# KiCad board processed.kicad_pcb
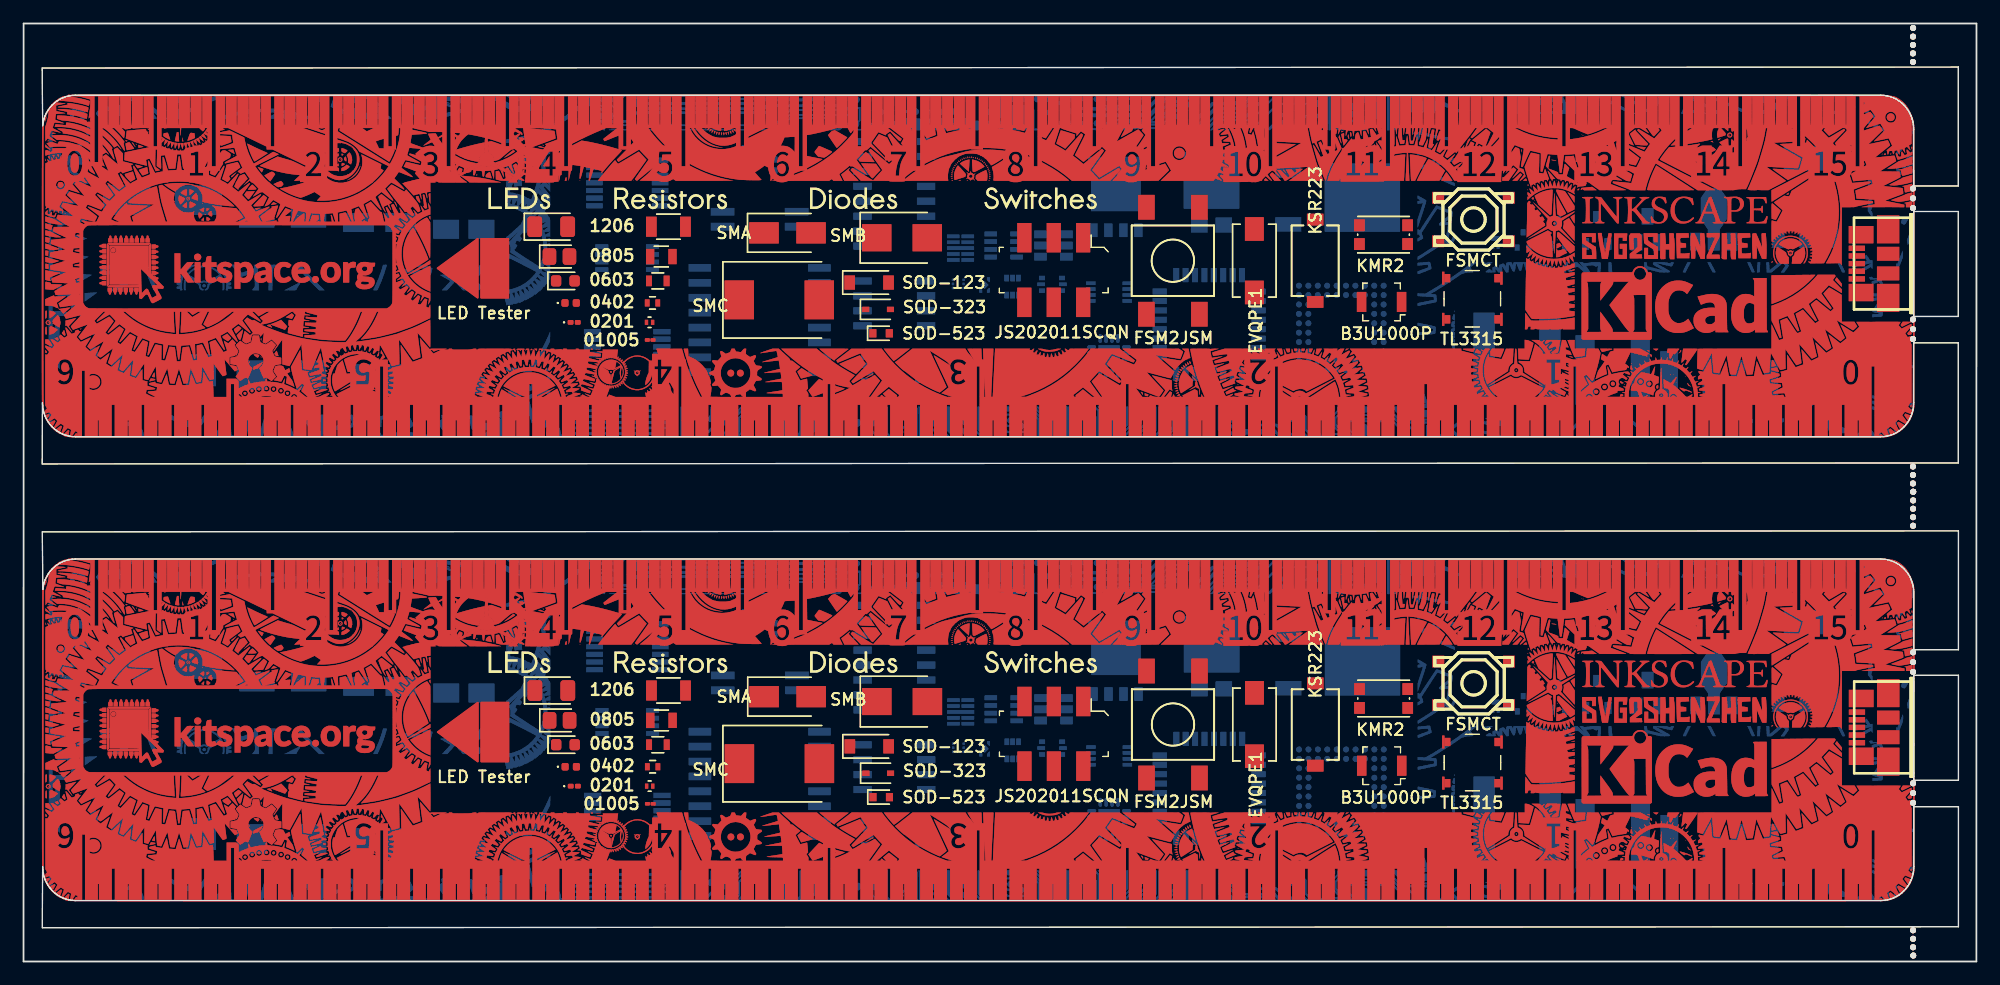
[diagram p0: board, top side]
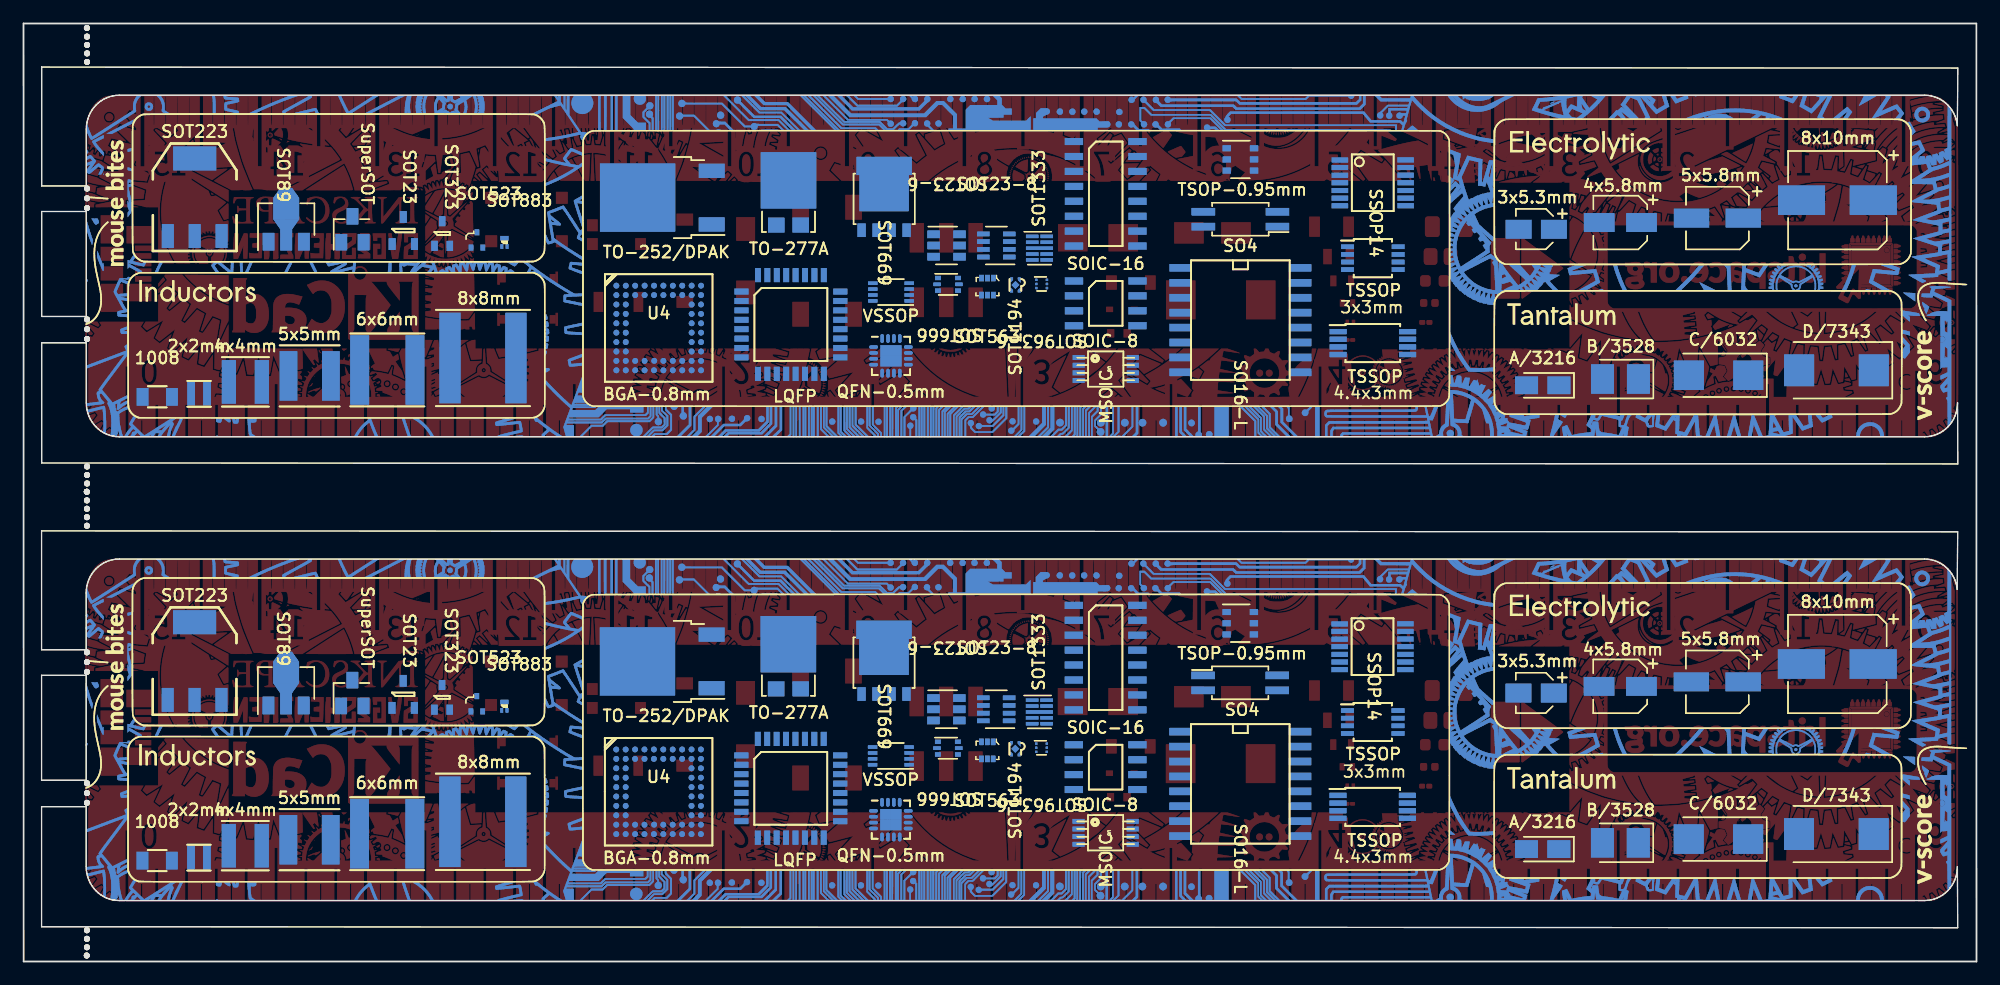
[diagram p1: board, bottom side, seen from below]

Outline 166 x 79.79 mm; copper layers: Top, Bottom. Coordinates in mm from the lower left corner of the outline.
Outline path: 0,0 0.01,79.79 166,79.79 165.99,0 0,0

## Placement (name value [footprint] x y rotation side)
C1  3x5.3mm  [CP_Elec_3x5.3]  37.42 62.29 0 bottom
C1#2  3x5.3mm  [CP_Elec_3x5.3]  37.42 62.29 0 bottom
C1#3  3x5.3mm  [CP_Elec_3x5.3]  37.43 22.84 0 bottom
C1#4  3x5.3mm  [CP_Elec_3x5.3]  37.43 22.84 0 bottom
C2  4x5.8mm  [CP_Elec_4x5.8]  30.27 62.86 0 bottom
C2#2  4x5.8mm  [CP_Elec_4x5.8]  30.27 62.86 0 bottom
C2#3  4x5.8mm  [CP_Elec_4x5.8]  30.28 23.41 0 bottom
C2#4  4x5.8mm  [CP_Elec_4x5.8]  30.28 23.41 0 bottom
C3  5x5.8mm  [CP_Elec_5x5.8]  22.02 63.24 0 bottom
C3#2  5x5.8mm  [CP_Elec_5x5.8]  22.02 63.24 0 bottom
C3#3  5x5.8mm  [CP_Elec_5x5.8]  22.03 23.79 0 bottom
C3#4  5x5.8mm  [CP_Elec_5x5.8]  22.03 23.79 0 bottom
C4  8x10mm  [CP_Elec_8x10]  11.82 64.76 0 bottom
C4#2  8x10mm  [CP_Elec_8x10]  11.82 64.76 0 bottom
C4#3  8x10mm  [CP_Elec_8x10]  11.83 25.31 0 bottom
C4#4  8x10mm  [CP_Elec_8x10]  11.83 25.31 0 bottom
C5  A/3216  [CP_Tantalum_Case-A_EIA-3216-18_Reflow]  36.87 49.01 0 bottom
C5#2  A/3216  [CP_Tantalum_Case-A_EIA-3216-18_Reflow]  36.87 49.01 0 bottom
C5#3  A/3216  [CP_Tantalum_Case-A_EIA-3216-18_Reflow]  36.87 9.56 0 bottom
C5#4  A/3216  [CP_Tantalum_Case-A_EIA-3216-18_Reflow]  36.87 9.56 0 bottom
C6  B/3528  [CP_Tantalum_Case-B_EIA-3528-21_Reflow]  30.26 49.55 0 bottom
C6#2  B/3528  [CP_Tantalum_Case-B_EIA-3528-21_Reflow]  30.26 49.55 0 bottom
C6#3  B/3528  [CP_Tantalum_Case-B_EIA-3528-21_Reflow]  30.27 10.1 0 bottom
C6#4  B/3528  [CP_Tantalum_Case-B_EIA-3528-21_Reflow]  30.27 10.1 0 bottom
C7  C/6032  [CP_Tantalum_Case-C_EIA-6032-28_Reflow]  21.92 49.87 0 bottom
C7#2  C/6032  [CP_Tantalum_Case-C_EIA-6032-28_Reflow]  21.92 49.87 0 bottom
C7#3  C/6032  [CP_Tantalum_Case-C_EIA-6032-28_Reflow]  21.93 10.41 0 bottom
C7#4  C/6032  [CP_Tantalum_Case-C_EIA-6032-28_Reflow]  21.93 10.41 0 bottom
C8  D/7343  [CP_Tantalum_Case-D_EIA-7343-31_Reflow]  11.9 50.29 0 bottom
C8#2  D/7343  [CP_Tantalum_Case-D_EIA-7343-31_Reflow]  11.9 50.29 0 bottom
C8#3  D/7343  [CP_Tantalum_Case-D_EIA-7343-31_Reflow]  11.91 10.84 0 bottom
C8#4  D/7343  [CP_Tantalum_Case-D_EIA-7343-31_Reflow]  11.91 10.84 0 bottom
D1  SMA  [D_SMA]  64.94 61.98 0 top
D1#2  SMA  [D_SMA]  64.94 61.98 0 top
D1#3  SMA  [D_SMA]  64.95 22.53 0 top
D1#4  SMA  [D_SMA]  64.95 22.53 0 top
D2  SMB  [D_SMB]  74.67 61.56 0 top
D2#2  SMB  [D_SMB]  74.67 61.56 0 top
D2#3  SMB  [D_SMB]  74.68 22.11 0 top
D2#4  SMB  [D_SMB]  74.68 22.11 0 top
D3  SMC  [D_SMC]  64.24 56.28 0 top
D3#2  SMC  [D_SMC]  64.24 56.28 0 top
D3#3  SMC  [D_SMC]  64.25 16.83 0 top
D3#4  SMC  [D_SMC]  64.25 16.83 0 top
D4  SOD-123  [D_SOD-123]  71.88 57.75 0 top
D4#2  SOD-123  [D_SOD-123]  71.88 57.75 0 top
D4#3  SOD-123  [D_SOD-123]  71.89 18.3 0 top
D4#4  SOD-123  [D_SOD-123]  71.89 18.3 0 top
D5  SOD-323  [D_SOD-323]  72.64 55.47 0 top
D5#2  SOD-323  [D_SOD-323]  72.64 55.47 0 top
D5#3  SOD-323  [D_SOD-323]  72.65 16.01 0 top
D5#4  SOD-323  [D_SOD-323]  72.65 16.01 0 top
D6  SOD-523  [D_SOD-523]  72.89 53.44 0 top
D6#2  SOD-523  [D_SOD-523]  72.89 53.44 0 top
D6#3  SOD-523  [D_SOD-523]  72.9 13.98 0 top
D6#4  SOD-523  [D_SOD-523]  72.9 13.98 0 top
DRAWING1  Conn_01x01  [ruler]  84.74 59.18 0 top
DRAWING1#2  Conn_01x01  [ruler]  84.74 59.18 0 top
DRAWING1#3  Conn_01x01  [ruler]  84.75 19.72 0 top
DRAWING1#4  Conn_01x01  [ruler]  84.75 19.72 0 top
DRAWING2  Conn_01x01  [leds_text]  51.02 65.86 0 top
DRAWING2#2  Conn_01x01  [leds_text]  51.02 65.86 0 top
DRAWING2#3  Conn_01x01  [leds_text]  51.03 26.4 0 top
DRAWING2#4  Conn_01x01  [leds_text]  51.03 26.4 0 top
DRAWING3  Conn_01x01  [resistors_text]  55.89 64.59 0 top
DRAWING3#2  Conn_01x01  [resistors_text]  55.89 64.59 0 top
DRAWING3#3  Conn_01x01  [resistors_text]  55.9 25.13 0 top
DRAWING3#4  Conn_01x01  [resistors_text]  55.9 25.13 0 top
DRAWING4  Conn_01x01  [diodes_text]  70.52 64.59 0 top
DRAWING4#2  Conn_01x01  [diodes_text]  70.52 64.59 0 top
DRAWING4#3  Conn_01x01  [diodes_text]  70.53 25.13 0 top
DRAWING4#4  Conn_01x01  [diodes_text]  70.53 25.13 0 top
DRAWING5  Conn_01x01  [switches_text]  87.4 64.59 0 top
DRAWING5#2  Conn_01x01  [switches_text]  87.4 64.59 0 top
DRAWING5#3  Conn_01x01  [switches_text]  87.41 25.14 0 top
DRAWING5#4  Conn_01x01  [switches_text]  87.41 25.14 0 top
DRAWING9  Conn_01x01  [inductors_text]  147.01 54.89 180 bottom
DRAWING9#2  Conn_01x01  [inductors_text]  147.01 54.89 180 bottom
DRAWING9#3  Conn_01x01  [inductors_text]  147.02 15.44 180 bottom
DRAWING9#4  Conn_01x01  [inductors_text]  147.02 15.44 180 bottom
DRAWING10  Conn_01x01  [tantalum_text]  33.71 54.38 180 bottom
DRAWING10#2  Conn_01x01  [tantalum_text]  33.71 54.38 180 bottom
DRAWING10#3  Conn_01x01  [tantalum_text]  33.72 14.93 180 bottom
DRAWING10#4  Conn_01x01  [tantalum_text]  33.72 14.93 180 bottom
DRAWING11  Conn_01x01  [electrolytic_text]  33.62 69.05 180 bottom
DRAWING11#2  Conn_01x01  [electrolytic_text]  33.62 69.05 180 bottom
DRAWING11#3  Conn_01x01  [electrolytic_text]  33.63 29.6 180 bottom
DRAWING11#4  Conn_01x01  [electrolytic_text]  33.63 29.6 180 bottom
J1  USB_OTG  [conn_usb_B_micro_smd]  158.49 59.37 90 top
J1#2  USB_OTG  [conn_usb_B_micro_smd]  158.49 59.37 90 top
J1#3  USB_OTG  [conn_usb_B_micro_smd]  158.5 19.91 90 top
J1#4  USB_OTG  [conn_usb_B_micro_smd]  158.5 19.91 90 top
L1  1008  [Inductor_1008]  154.63 48.03 180 bottom
L1#2  1008  [Inductor_1008]  154.63 48.03 180 bottom
L1#3  1008  [Inductor_1008]  154.64 8.58 180 bottom
L1#4  1008  [Inductor_1008]  154.64 8.58 180 bottom
L2  8x8mm  [Inductor_Taiyo-Yuden_NR-80xx]  126.95 51.34 0 bottom
L2#2  8x8mm  [Inductor_Taiyo-Yuden_NR-80xx]  126.95 51.34 0 bottom
L2#3  8x8mm  [Inductor_Taiyo-Yuden_NR-80xx]  126.96 11.88 0 bottom
L2#4  8x8mm  [Inductor_Taiyo-Yuden_NR-80xx]  126.96 11.88 0 bottom
L3  4x4mm  [Inductor_Taiyo-Yuden_MD-4040]  147.14 49.3 180 bottom
L3#2  4x4mm  [Inductor_Taiyo-Yuden_MD-4040]  147.14 49.3 180 bottom
L3#3  4x4mm  [Inductor_Taiyo-Yuden_MD-4040]  147.15 9.85 180 bottom
L3#4  4x4mm  [Inductor_Taiyo-Yuden_MD-4040]  147.15 9.85 180 bottom
L4  5x5mm  [Inductor_Taiyo-Yuden_MD-5050]  141.68 49.81 180 bottom
L4#2  5x5mm  [Inductor_Taiyo-Yuden_MD-5050]  141.68 49.81 180 bottom
L4#3  5x5mm  [Inductor_Taiyo-Yuden_MD-5050]  141.69 10.36 180 bottom
L4#4  5x5mm  [Inductor_Taiyo-Yuden_MD-5050]  141.69 10.36 180 bottom
L5  6x6mm  [Inductor_Taiyo-Yuden_NR-60xx]  135.08 50.32 180 bottom
L5#2  6x6mm  [Inductor_Taiyo-Yuden_NR-60xx]  135.08 50.32 180 bottom
L5#3  6x6mm  [Inductor_Taiyo-Yuden_NR-60xx]  135.09 10.87 180 bottom
L5#4  6x6mm  [Inductor_Taiyo-Yuden_NR-60xx]  135.09 10.87 180 bottom
L6  2x2mm  [Inductor_Taiyo-Yuden_NR-20xx]  151.08 48.29 0 bottom
L6#2  2x2mm  [Inductor_Taiyo-Yuden_NR-20xx]  151.08 48.29 0 bottom
L6#3  2x2mm  [Inductor_Taiyo-Yuden_NR-20xx]  151.09 8.83 0 bottom
L6#4  2x2mm  [Inductor_Taiyo-Yuden_NR-20xx]  151.09 8.83 0 bottom
LED1  LED Tester  [led_test_pads]  38.7 58.97 180 top
LED1#2  LED Tester  [led_test_pads]  38.7 58.97 180 top
LED1#3  LED Tester  [led_test_pads]  38.71 19.52 180 top
LED1#4  LED Tester  [led_test_pads]  38.71 19.52 180 top
LED2  0402  [LED_0402_1005Metric]  46.5 56.02 0 top
LED2#2  0402  [LED_0402_1005Metric]  46.5 56.02 0 top
LED2#3  0402  [LED_0402_1005Metric]  46.51 16.57 0 top
LED2#4  0402  [LED_0402_1005Metric]  46.51 16.57 0 top
LED3  0603  [LED_0603_1608Metric]  46.05 57.89 0 top
LED3#2  0603  [LED_0603_1608Metric]  46.05 57.89 0 top
LED3#3  0603  [LED_0603_1608Metric]  46.06 18.44 0 top
LED3#4  0603  [LED_0603_1608Metric]  46.06 18.44 0 top
LED4  0805  [LED_0805_2012Metric]  45.55 59.97 0 top
LED4#2  0805  [LED_0805_2012Metric]  45.55 59.97 0 top
LED4#3  0805  [LED_0805_2012Metric]  45.56 20.51 0 top
LED4#4  0805  [LED_0805_2012Metric]  45.56 20.51 0 top
LED5  1206  [LED_1206_3216Metric]  44.85 62.5 0 top
LED5#2  1206  [LED_1206_3216Metric]  44.85 62.5 0 top
LED5#3  1206  [LED_1206_3216Metric]  44.86 23.05 0 top
LED5#4  1206  [LED_1206_3216Metric]  44.86 23.05 0 top
LED6  0201  [LED_0201_0603Metric]  46.8 54.37 0 top
LED6#2  0201  [LED_0201_0603Metric]  46.8 54.37 0 top
LED6#3  0201  [LED_0201_0603Metric]  46.81 14.92 0 top
LED6#4  0201  [LED_0201_0603Metric]  46.81 14.92 0 top
Q1  SOT23  [SOT-23]  133.72 62.18 90 bottom
Q1#2  SOT23  [SOT-23]  133.72 62.18 90 bottom
Q1#3  SOT23  [SOT-23]  133.73 22.73 90 bottom
Q1#4  SOT23  [SOT-23]  133.73 22.73 90 bottom
Q2  SOT323  [SOT-323]  130.42 61.93 90 bottom
Q2#2  SOT323  [SOT-323]  130.42 61.93 90 bottom
Q2#3  SOT323  [SOT-323]  130.43 22.47 90 bottom
Q2#4  SOT323  [SOT-323]  130.43 22.47 90 bottom
Q3  SOT883  [SOT-883-B]  125.12 61.17 180 bottom
Q3#2  SOT883  [SOT-883-B]  125.12 61.17 180 bottom
Q3#3  SOT883  [SOT-883-B]  125.13 21.72 180 bottom
Q3#4  SOT883  [SOT-883-B]  125.13 21.72 180 bottom
Q4  SOT523  [SOT-523]  127.46 60.73 180 bottom
Q4#2  SOT523  [SOT-523]  127.46 60.73 180 bottom
Q4#3  SOT523  [SOT-523]  127.47 21.28 180 bottom
Q4#4  SOT523  [SOT-523]  127.47 21.28 180 bottom
Q5  SOT223  [SOT223_GND_VO_VI]  151.45 65.01 180 bottom
Q5#2  SOT223  [SOT223_GND_VO_VI]  151.45 65.01 180 bottom
Q5#3  SOT223  [SOT223_GND_VO_VI]  151.46 25.56 180 bottom
Q5#4  SOT223  [SOT223_GND_VO_VI]  151.46 25.56 180 bottom
Q6  SOT89  [SOT-89-3]  143.67 62.71 90 bottom
Q6#2  SOT89  [SOT-89-3]  143.67 62.71 90 bottom
Q6#3  SOT89  [SOT-89-3]  143.68 23.26 90 bottom
Q6#4  SOT89  [SOT-89-3]  143.68 23.26 90 bottom
Q7  SuperSOT  [SuperSOT-3]  138.04 62.29 90 bottom
Q7#2  SuperSOT  [SuperSOT-3]  138.04 62.29 90 bottom
Q7#3  SuperSOT  [SuperSOT-3]  138.05 22.84 90 bottom
Q7#4  SuperSOT  [SuperSOT-3]  138.05 22.84 90 bottom
R1  1k  [R_0201]  53.21 54.37 180 top
R1#2  1k  [R_0201]  53.21 54.37 180 top
R1#3  1k  [R_0201]  53.22 14.92 180 top
R1#4  1k  [R_0201]  53.22 14.92 180 top
R2  1k  [R_0402]  53.46 56.02 180 top
R2#2  1k  [R_0402]  53.46 56.02 180 top
R2#3  1k  [R_0402]  53.47 16.57 180 top
R2#4  1k  [R_0402]  53.47 16.57 180 top
R3  1k  [R_0603]  53.91 57.89 180 top
R3#2  1k  [R_0603]  53.91 57.89 180 top
R3#3  1k  [R_0603]  53.92 18.44 180 top
R3#4  1k  [R_0603]  53.92 18.44 180 top
R4  1k  [R_0805]  54.21 59.97 180 top
R4#2  1k  [R_0805]  54.21 59.97 180 top
R4#3  1k  [R_0805]  54.22 20.51 180 top
R4#4  1k  [R_0805]  54.22 20.51 180 top
R5  1k  [R_1206]  54.81 62.51 180 top
R5#2  1k  [R_1206]  54.81 62.51 180 top
R5#3  1k  [R_1206]  54.82 23.05 180 top
R5#4  1k  [R_1206]  54.82 23.05 180 top
R6  1k  [R_01005_0402Metric]  53.26 52.87 180 top
R6#2  1k  [R_01005_0402Metric]  53.26 52.87 180 top
R6#3  1k  [R_01005_0402Metric]  53.27 13.42 180 top
R6#4  1k  [R_01005_0402Metric]  53.27 13.42 180 top
SW1  KMR2  [SW_SPST_KMR2]  115.6 61.83 180 top
SW1#2  KMR2  [SW_SPST_KMR2]  115.6 61.83 180 top
SW1#3  KMR2  [SW_SPST_KMR2]  115.61 22.37 180 top
SW1#4  KMR2  [SW_SPST_KMR2]  115.61 22.37 180 top
SW2  EVQPE1  [SW_SPST_EVQPE1]  104.62 59.61 270 top
SW2#2  EVQPE1  [SW_SPST_EVQPE1]  104.62 59.61 270 top
SW2#3  EVQPE1  [SW_SPST_EVQPE1]  104.63 20.16 270 top
SW2#4  EVQPE1  [SW_SPST_EVQPE1]  104.63 20.16 270 top
SW3  B3U1000P  [Switch_Tactile_SMD_B3U-1000P]  115.43 56.11 180 top
SW3#2  B3U1000P  [Switch_Tactile_SMD_B3U-1000P]  115.43 56.11 180 top
SW3#3  B3U1000P  [Switch_Tactile_SMD_B3U-1000P]  115.44 16.65 180 top
SW3#4  B3U1000P  [Switch_Tactile_SMD_B3U-1000P]  115.44 16.65 180 top
SW4  -  [FSMCT]  123.25 63.12 180 top
SW4#2  -  [FSMCT]  123.25 63.12 180 top
SW4#3  -  [FSMCT]  123.26 23.66 180 top
SW4#4  -  [FSMCT]  123.26 23.66 180 top
SW5  TL3315  [Switch_4.5x4.5mm_SMD_TL3315NF160Q]  123.15 56.38 180 top
SW5#2  TL3315  [Switch_4.5x4.5mm_SMD_TL3315NF160Q]  123.15 56.38 180 top
SW5#3  TL3315  [Switch_4.5x4.5mm_SMD_TL3315NF160Q]  123.16 16.92 180 top
SW5#4  TL3315  [Switch_4.5x4.5mm_SMD_TL3315NF160Q]  123.16 16.92 180 top
SW6  FSM2JSM  [FSM2JSMA]  97.69 59.61 180 top
SW6#2  FSM2JSM  [FSM2JSMA]  97.69 59.61 180 top
SW6#3  FSM2JSM  [FSM2JSMA]  97.71 20.16 180 top
SW6#4  FSM2JSM  [FSM2JSMA]  97.71 20.16 180 top
SW7  JS202011SCQN  [Switch_Slide_JS202011SCQN]  87.57 58.82 180 top
SW7#2  JS202011SCQN  [Switch_Slide_JS202011SCQN]  87.57 58.82 180 top
SW7#3  JS202011SCQN  [Switch_Slide_JS202011SCQN]  87.58 19.37 180 top
SW7#4  JS202011SCQN  [Switch_Slide_JS202011SCQN]  87.58 19.37 180 top
SW8  KSR223  [KSR]  109.79 59.61 270 top
SW8#2  KSR223  [KSR]  109.79 59.61 270 top
SW8#3  KSR223  [KSR]  109.8 20.16 270 top
SW8#4  KSR223  [KSR]  109.8 20.16 270 top
U1  QFN-0.5mm  [QFN-16-1EP_3x3mm_Pitch0.5mm]  92.27 51.52 180 bottom
U1#2  QFN-0.5mm  [QFN-16-1EP_3x3mm_Pitch0.5mm]  92.27 51.52 180 bottom
U1#3  QFN-0.5mm  [QFN-16-1EP_3x3mm_Pitch0.5mm]  92.28 12.07 180 bottom
U1#4  QFN-0.5mm  [QFN-16-1EP_3x3mm_Pitch0.5mm]  92.28 12.07 180 bottom
U2  LQFP  [LQFP-32]  100.78 54.19 180 bottom
U2#2  LQFP  [LQFP-32]  100.78 54.19 180 bottom
U2#3  LQFP  [LQFP-32]  100.78 14.73 180 bottom
U2#4  LQFP  [LQFP-32]  100.78 14.73 180 bottom
U3  -  [SOIC-8]  74.01 55.99 180 bottom
U3#2  -  [SOIC-8]  74.01 55.99 180 bottom
U3#3  -  [SOIC-8]  74.02 16.53 180 bottom
U3#4  -  [SOIC-8]  74.02 16.53 180 bottom
U4  BGA-0.8mm  [BGA-64-0.8mm]  112.01 53.89 180 bottom
U4#2  BGA-0.8mm  [BGA-64-0.8mm]  112.01 53.89 180 bottom
U4#3  BGA-0.8mm  [BGA-64-0.8mm]  112.02 14.44 180 bottom
U4#4  BGA-0.8mm  [BGA-64-0.8mm]  112.02 14.44 180 bottom
U5  TSSOP  [TSSOP-8_3x3mm_Pitch0.65mm]  51.31 59.83 180 bottom
U5#2  TSSOP  [TSSOP-8_3x3mm_Pitch0.65mm]  51.31 59.83 180 bottom
U5#3  TSSOP  [TSSOP-8_3x3mm_Pitch0.65mm]  51.32 20.37 180 bottom
U5#4  TSSOP  [TSSOP-8_3x3mm_Pitch0.65mm]  51.32 20.37 180 bottom
U6  MSOIC  [msoic-8]  74.01 50.4 270 bottom
U6#2  MSOIC  [msoic-8]  74.01 50.4 270 bottom
U6#3  MSOIC  [msoic-8]  74.02 10.95 270 bottom
U6#4  MSOIC  [msoic-8]  74.02 10.95 270 bottom
U7  TSOP-0.95mm  [TSOP-6_1.65x3.05mm_Pitch0.95mm]  62.57 68.23 180 bottom
U7#2  TSOP-0.95mm  [TSOP-6_1.65x3.05mm_Pitch0.95mm]  62.57 68.23 180 bottom
U7#3  TSOP-0.95mm  [TSOP-6_1.65x3.05mm_Pitch0.95mm]  62.58 28.77 180 bottom
U7#4  TSOP-0.95mm  [TSOP-6_1.65x3.05mm_Pitch0.95mm]  62.58 28.77 180 bottom
U8  SOT23-6  [SOT-23-6]  87.54 60.91 180 bottom
U8#2  SOT23-6  [SOT-23-6]  87.54 60.91 180 bottom
U8#3  SOT23-6  [SOT-23-6]  87.55 21.45 180 bottom
U8#4  SOT23-6  [SOT-23-6]  87.55 21.45 180 bottom
U9  SOT23-8  [SOT-23-8]  83.31 60.91 0 bottom
U9#2  SOT23-8  [SOT-23-8]  83.31 60.91 0 bottom
U9#3  SOT23-8  [SOT-23-8]  83.32 21.45 0 bottom
U9#4  SOT23-8  [SOT-23-8]  83.32 21.45 0 bottom
U10  SOT963-6  [SOT-963]  79.46 57.64 180 bottom
U10#2  SOT963-6  [SOT-963]  79.46 57.64 180 bottom
U10#3  SOT963-6  [SOT-963]  79.47 18.18 180 bottom
U10#4  SOT963-6  [SOT-963]  79.47 18.18 180 bottom
U11  SSOP14  [SSOP-14]  51.34 26.78 270 bottom
U11#2  SSOP14  [SSOP-14]  51.34 26.78 270 bottom
U11#3  SSOP14  [SSOP-14]  51.32 66.24 270 bottom
U11#4  SSOP14  [SSOP-14]  51.32 66.24 270 bottom
U12  SO16-L  [SO-16-L]  62.57 54.56 270 bottom
U12#2  SO16-L  [SO-16-L]  62.57 54.56 270 bottom
U12#3  SO16-L  [SO-16-L]  62.58 15.11 270 bottom
U12#4  SO16-L  [SO-16-L]  62.58 15.11 270 bottom
U13  SOT666  [SOT-666]  87.42 57.6 180 bottom
U13#2  SOT666  [SOT-666]  87.42 57.6 180 bottom
U13#3  SOT666  [SOT-666]  87.43 18.15 180 bottom
U13#4  SOT666  [SOT-666]  87.43 18.15 180 bottom
U14  SOT1194  [SOT-1194-1]  81.69 57.55 270 bottom
U14#2  SOT1194  [SOT-1194-1]  81.69 57.55 270 bottom
U14#3  SOT1194  [SOT-1194-1]  81.7 18.09 270 bottom
U14#4  SOT1194  [SOT-1194-1]  81.7 18.09 270 bottom
U15  SOT1333  [SOT-1333-1]  79.64 60.68 270 bottom
U15#2  SOT1333  [SOT-1333-1]  79.64 60.68 270 bottom
U15#3  SOT1333  [SOT-1333-1]  79.65 21.23 270 bottom
U15#4  SOT1333  [SOT-1333-1]  79.65 21.23 270 bottom
U16  SOT669  [SOT-669_LFPAK]  92.85 65.04 90 bottom
U16#2  SOT669  [SOT-669_LFPAK]  92.85 65.04 90 bottom
U16#3  SOT669  [SOT-669_LFPAK]  92.86 25.58 90 bottom
U16#4  SOT669  [SOT-669_LFPAK]  92.86 25.58 90 bottom
U17  TSSOP  [TSSOP-8_4.4x3mm_Pitch0.65mm]  51.31 52.61 180 bottom
U17#2  TSSOP  [TSSOP-8_4.4x3mm_Pitch0.65mm]  51.31 52.61 180 bottom
U17#3  TSSOP  [TSSOP-8_4.4x3mm_Pitch0.65mm]  51.32 13.15 180 bottom
U17#4  TSSOP  [TSSOP-8_4.4x3mm_Pitch0.65mm]  51.32 13.15 180 bottom
U18  SO4  [SO-4_4.4x2.3mm_Pitch1.27mm]  62.57 63.15 0 bottom
U18#2  SO4  [SO-4_4.4x2.3mm_Pitch1.27mm]  62.57 63.15 0 bottom
U18#3  SO4  [SO-4_4.4x2.3mm_Pitch1.27mm]  62.59 23.7 180 bottom
U18#4  SO4  [SO-4_4.4x2.3mm_Pitch1.27mm]  62.59 23.7 180 bottom
U19  VSSOP  [VSSOP-8_2.3x2mm_Pitch0.5mm]  92.27 56.95 0 bottom
U19#2  VSSOP  [VSSOP-8_2.3x2mm_Pitch0.5mm]  92.27 56.95 0 bottom
U19#3  VSSOP  [VSSOP-8_2.3x2mm_Pitch0.5mm]  92.28 17.49 0 bottom
U19#4  VSSOP  [VSSOP-8_2.3x2mm_Pitch0.5mm]  92.28 17.49 0 bottom
U20  TO-252/DPAK  [TO-252-2]  111.7 64.98 0 bottom
U20#2  TO-252/DPAK  [TO-252-2]  111.7 64.98 0 bottom
U20#3  TO-252/DPAK  [TO-252-2]  111.71 25.53 0 bottom
U20#4  TO-252/DPAK  [TO-252-2]  111.71 25.53 0 bottom
U21  -  [TO-277A]  100.98 64.54 0 bottom
U21#2  -  [TO-277A]  100.98 64.54 0 bottom
U21#3  -  [TO-277A]  100.99 25.09 0 bottom
U21#4  -  [TO-277A]  100.99 25.09 0 bottom
U22  -  [SOIC-16]  74.01 65.3 180 bottom
U22#2  -  [SOIC-16]  74.01 65.3 180 bottom
U22#3  -  [SOIC-16]  74.02 25.85 180 bottom
U22#4  -  [SOIC-16]  74.02 25.85 180 bottom
U23  SOT563  [SOT-563]  84.07 57.41 0 bottom
U23#2  SOT563  [SOT-563]  84.07 57.41 0 bottom
U23#3  SOT563  [SOT-563]  84.08 17.96 0 bottom
U23#4  SOT563  [SOT-563]  84.08 17.96 0 bottom

## Footprints (pads in the part's own frame, mm; a bottom-side part is the same pattern mirrored in y, then rotated)
BGA-64-0.8mm
  round 0.5 smd: A1(-3.599,3.599) A2(-2.799,3.599) A3(-1.999,3.599) A4(-1.199,3.599) A5(-0.399,3.599) A6(0.399,3.599) A7(1.199,3.599) A8(1.999,3.599) A9(2.799,3.599) A10(3.599,3.599) B1(-3.599,2.799) B2(-2.799,2.799) B3(-1.999,2.799) B4(-1.199,2.799) B5(-0.399,2.799) B6(0.399,2.799) B7(1.199,2.799) B8(1.999,2.799) B9(2.799,2.799) B10(3.599,2.799) C1(-3.599,1.999) C2(-2.799,1.999) C9(2.799,1.999) C10(3.599,1.999) D1(-3.599,1.199) D2(-2.799,1.199) D9(2.799,1.199) D10(3.599,1.199) E1(-3.599,0.399) E2(-2.799,0.399) E9(2.799,0.399) E10(3.599,0.399) F1(-3.599,-0.399) F2(-2.799,-0.399) F9(2.799,-0.399) F10(3.599,-0.399) G1(-3.599,-1.199) G2(-2.799,-1.199) G9(2.799,-1.199) G10(3.599,-1.199) H1(-3.599,-1.999) H2(-2.799,-1.999) H9(2.799,-1.999) H10(3.599,-1.999) J1(-3.599,-2.799) J2(-2.799,-2.799) J3(-1.999,-2.799) J4(-1.199,-2.799) J5(-0.381,-2.794) J6(0.399,-2.799) J7(1.199,-2.799) J8(1.999,-2.799) J9(2.799,-2.799) J10(3.599,-2.799) K1(-3.599,-3.599) K2(-2.799,-3.599) K3(-1.999,-3.599) K4(-1.199,-3.599) K5(-0.399,-3.599) K6(0.399,-3.599) K7(1.199,-3.599) K8(1.999,-3.599) K9(2.799,-3.599) K10(3.599,-3.599)
conn_usb_B_micro_smd
  rect 2.375x1.897 smd: (-2.913,0) (2.913,0)
  rect 1.473x2.101 smd: (-2.461,2.299) (2.461,2.299)
  rect 1.173x1.897 smd: (-0.838,0) (0.838,0)
  rect 0.45x1.379 smd: 1(-1.3,2.659) 2(-0.65,2.659) 3(0,2.659) 4(0.65,2.659) 5(1.3,2.659)
CP_Elec_3x5.3
  rect 2.2x1.6 smd: 1(-1.5,0) 2(1.5,0)
CP_Elec_4x5.8
  rect 2.6x1.6 smd: 1(-1.8,0) 2(1.8,0)
CP_Elec_5x5.8
  rect 3x1.6 smd: 1(-2.2,0) 2(2.2,0)
CP_Elec_8x10
  rect 4x2.5 smd: 1(-3.05,0) 2(3.05,0)
CP_Tantalum_Case-A_EIA-3216-18_Reflow
  rect 1.95x1.5 smd: 1(-1.375,0) 2(1.375,0)
CP_Tantalum_Case-B_EIA-3528-21_Reflow
  rect 1.95x2.5 smd: 1(-1.525,0) 2(1.525,0)
CP_Tantalum_Case-C_EIA-6032-28_Reflow
  rect 2.55x2.5 smd: 1(-2.525,0) 2(2.525,0)
CP_Tantalum_Case-D_EIA-7343-31_Reflow
  rect 2.55x2.7 smd: 1(-3.175,0) 2(3.175,0)
D_SMA
  rect 2.5x1.8 smd: 1(-2,0) 2(2,0)
D_SMB
  rect 2.5x2.3 smd: 1(-2.15,0) 2(2.15,0)
D_SMC
  rect 2.5x3.3 smd: 1(-3.4,0) 2(3.4,0)
D_SOD-123
  rect 0.9x1.2 smd: 1(-1.65,0) 2(1.65,0)
D_SOD-323
  rect 0.6x0.45 smd: 1(-1.05,0) 2(1.05,0)
D_SOD-523
  rect 0.6x0.7 smd: 1(-0.7,0) 2(0.7,0)
FSM2JSMA
  rect 1.4x2.1 smd: 1(2.25,4.55) 1(2.25,-4.55) 2(-2.25,4.55) 2(-2.25,-4.55)
FSMCT
  rect 1.001x1.001 smd: 1(-3,1.849) 2(3,1.849) 3(-3,-1.849) 4(3,-1.849)
Inductor_1008
  rect 1x1.5 smd: 1(-1.25,0) 2(1.25,0)
Inductor_Taiyo-Yuden_MD-4040
  rect 1.2x3.7 smd: 1(-1.4,0) 2(1.4,0)
Inductor_Taiyo-Yuden_MD-5050
  rect 1.5x4.2 smd: 1(-1.8,0) 2(1.8,0)
Inductor_Taiyo-Yuden_NR-20xx
  rect 0.65x2 smd: 1(-0.675,0) 2(0.675,0)
Inductor_Taiyo-Yuden_NR-60xx
  rect 1.6x5.9 smd: 1(-2.35,0) 2(2.35,0)
Inductor_Taiyo-Yuden_NR-80xx
  rect 1.8x7.7 smd: 1(-2.8,0) 2(2.8,0)
KSR
  rect 1x1.4 smd: 1(-3.5,0) 2(3.5,0)
LED_0201_0603Metric
  rrect 0.342x0.36 smd: (-0.33,0) (0.33,0)
  rrect 0.49x0.4 smd: 1(-0.305,0) 2(0.305,0)
LED_0402_1005Metric
  rrect 0.6x0.64 smd: 1(-0.48,0) 2(0.48,0)
LED_0603_1608Metric
  rrect 0.875x0.95 smd: 1(-0.787,0) 2(0.787,0)
LED_0805_2012Metric
  rrect 1.15x1.4 smd: 1(-0.85,0) 2(0.85,0)
LED_1206_3216Metric
  rrect 1.25x1.75 smd: 1(-1.4,0) 2(1.4,0)
led_test_pads
  custom 1x1 smd: 1(0.8,0) 2(-0.899,0)
LQFP-32
  rect 1.2x0.5 smd: 1(-4.2,2.8) 2(-4.2,2) 3(-4.2,1.2) 4(-4.2,0.4) 5(-4.2,-0.4) 6(-4.2,-1.2) 7(-4.2,-2) 8(-4.2,-2.8) 17(4.2,-2.8) 18(4.2,-2) 19(4.2,-1.2) 20(4.2,-0.4) 21(4.2,0.4) 22(4.2,1.2) 23(4.2,2) 24(4.2,2.8)
  rect 0.5x1.2 smd: 9(-2.8,-4.2) 10(-2,-4.2) 11(-1.2,-4.2) 12(-0.4,-4.2) 13(0.4,-4.2) 14(1.2,-4.2) 15(2,-4.2) 16(2.8,-4.2) 25(2.8,4.2) 26(2,4.2) 27(1.2,4.2) 28(0.4,4.2) 29(-0.4,4.2) 30(-1.2,4.2) 31(-2,4.2) 32(-2.8,4.2)
msoic-8
  rect 0.409x1.021 smd: 1(-0.975,-2.301) 2(-0.325,-2.301) 3(0.325,-2.301) 4(0.975,-2.301) 5(0.975,2.301) 6(0.325,2.301) 7(-0.325,2.301) 8(-0.975,2.301)
QFN-16-1EP_3x3mm_Pitch0.5mm
  oval 0.75x0.3 smd: 1(-1.475,0.75) 2(-1.475,0.25) 3(-1.475,-0.25) 4(-1.475,-0.75) 9(1.475,-0.75) 10(1.475,-0.25) 11(1.475,0.25) 12(1.475,0.75)
  oval 0.3x0.75 smd: 5(-0.75,-1.475) 6(-0.25,-1.475) 7(0.25,-1.475) 8(0.75,-1.475) 13(0.75,1.475) 14(0.25,1.475) 15(-0.25,1.475) 16(-0.75,1.475)
  rect 0.9x0.9 smd: 17(-0.45,-0.45) 17(-0.45,0.45) 17(0.45,-0.45) 17(0.45,0.45)
R_0201
  rect 0.28x0.43 smd: 1(-0.26,0) 2(0.26,0)
R_0402
  rect 0.4x0.6 smd: 1(-0.45,0) 2(0.45,0)
R_0603
  rect 0.5x0.9 smd: 1(-0.75,0) 2(0.75,0)
R_0805
  rect 0.7x1.3 smd: 1(-0.95,0) 2(0.95,0)
R_01005_0402Metric
  rrect 0.286x0.27 smd: (-0.265,0) (0.265,0)
  rrect 0.42x0.3 smd: 1(-0.24,0) 2(0.24,0)
R_1206
  rect 0.9x1.7 smd: 1(-1.45,0) 2(1.45,0)
ruler
  round 0.5 hole 0.5: 1(75.86,18.07) 2(75.86,17.347) 3(75.86,18.793) 4(75.86,-17.791) 5(75.86,-18.514) 6(75.86,-17.068) 7(75.86,6.575) 8(75.86,5.745) 9(75.86,4.915) 10(75.86,-4.563) 11(75.86,-5.393) 12(75.86,-6.224) 13(75.863,19.5) 14(75.876,20.236) 15(75.876,-19.215)
SO-4_4.4x2.3mm_Pitch1.27mm
  rect 2x0.64 smd: 1(-3.15,0.635) 2(-3.15,-0.635) 3(3.15,-0.635) 4(3.15,0.635)
SO-16-L
  rect 0.635x1.905 smd: 1(-4.445,-5.08) 2(-3.175,-5.08) 3(-1.905,-5.08) 4(-0.635,-5.08) 5(0.635,-5.08) 6(1.905,-5.08) 7(3.175,-5.08) 8(4.445,-5.08) 9(4.445,5.08) 10(3.175,5.08) 11(1.905,5.08) 12(0.635,5.08) 13(-0.635,5.08) 14(-1.905,5.08) 15(-3.175,5.08) 16(-4.445,5.08)
SOIC-8
  rect 1.55x0.6 smd: 1(-2.7,1.905) 2(-2.7,0.635) 3(-2.7,-0.635) 4(-2.7,-1.905) 5(2.7,-1.905) 6(2.7,-0.635) 7(2.7,0.635) 8(2.7,1.905)
SOIC-16
  rect 1.55x0.6 smd: 1(-2.7,4.445) 2(-2.7,3.175) 3(-2.7,1.905) 4(-2.7,0.635) 5(-2.7,-0.635) 6(-2.7,-1.905) 7(-2.7,-3.175) 8(-2.7,-4.445) 9(2.7,-4.445) 10(2.7,-3.175) 11(2.7,-1.905) 12(2.7,-0.635) 13(2.7,0.635) 14(2.7,1.905) 15(2.7,3.175) 16(2.7,4.445)
SOT223_GND_VO_VI
  rect 1.016x2.032 smd: GND(-2.286,-3.302) VI(2.286,-3.302) VO(0,-3.302)
  rect 3.658x2.032 smd: VO(0,3.302)
SOT-23
  rect 1x0.6 smd: 1(-1.15,0.95) 2(-1.15,-0.95) 3(1.15,0)
SOT-23-6
  rect 1.06x0.65 smd: 1(-1.1,0.95) 2(-1.1,0) 3(-1.1,-0.95) 4(1.1,-0.95) 5(1.1,0) 6(1.1,0.95)
SOT-23-8
  rect 1.06x0.4 smd: 1(-1.1,0.98) 2(-1.1,0.33) 3(-1.1,-0.33) 4(-1.1,-0.98) 5(1.1,-0.98) 6(1.1,-0.33) 7(1.1,0.33) 8(1.1,0.98)
SOT-89-3
  rect 1.5x1 smd: 1(-1.48,1.5) 3(-1.48,-1.5)
  rect 1.8x1 smd: 2(-1.333,0)
  trapezoid 1x1.5 smd: 2(-0.076,0)
  rect 1.84x2.2 smd: 2(1.333,0)
  trapezoid 0.85x1.6 smd: 2(2.667,0)
SOT-323
  rect 0.85x0.55 smd: 1(-1.05,0.65) 2(-1.05,-0.65) 3(1.05,0)
SOT-523
  rect 0.4x0.51 smd: 1(-0.5,0) 2(0.5,0) 3(0,1.3)
SOT-563
  rect 0.4x0.55 smd: 1(-0.5,-0.725) 2(0,-0.725) 3(0.5,-0.725) 4(0.5,0.725) 5(0,0.725) 6(-0.5,0.725)
SOT-666
  rect 0.5x0.375 smd: 1(-0.85,0.537) 3(-0.85,-0.537) 4(0.85,-0.537) 6(0.85,0.537)
  rect 0.65x0.3 smd: 2(-0.925,0) 5(0.925,0)
SOT-669_LFPAK
  rect 1.15x0.7 smd: 1(-2.835,1.91) 2(-2.835,0.64) 3(-2.835,-0.64) 4(-2.835,-1.91)
  rect 0.6x0.9 smd: 5(-0.665,-1.15) 5(-0.665,0) 5(-0.665,1.15) 5(0.185,-1.15) 5(0.185,0) 5(0.185,1.15) 5(1.035,-1.15) 5(1.035,0) 5(1.035,1.15)
  rect 3.3x4.2 smd: 5(0.435,0)
  rect 1.55x4.7 smd: 5(2.635,0)
  rect 0.9x0.6 smd: 5(2.885,-1.88) 5(2.885,-0.6) 5(2.885,0.6) 5(2.885,1.88)
SOT-883-B
  rect 0.7x0.4 smd: D(0,0.35)
  rect 0.25x0.4 smd: G(-0.225,-0.35) S(0.225,-0.35)
SOT-963
  rect 0.2x0.2 smd: 1(-0.45,0.35) 2(-0.45,0) 3(-0.45,-0.35) 4(0.45,-0.35) 5(0.45,0) 6(0.45,0.35)
SOT-1194-1
  rect 0.22x0.25 smd: 1(-0.54,0.325) 2(-0.54,-0.325) 3(0.54,-0.325) 4(0.54,0.325)
  trapezoid 0.177x0.177 smd rot 135: 1(-0.367,0.388)
  trapezoid 0.127x0.127 smd rot 45: 2(-0.385,-0.335) 4(0.385,0.335)
  rect 0.18x0.07 smd: 2(-0.34,-0.415) 3(0.34,-0.415) 4(0.34,0.415)
  trapezoid 0.127x0.127 smd rot 135: 3(0.385,-0.335)
  rect 0.48x0.48 smd rot 135: EP(0,0)
SOT-1333-1
  rect 0.3x1.07 smd: 1(-1,-0.615) 2(-0.5,-0.615) 4(0.5,-0.615) 5(1,-0.615) 6(1,0.615) 7(0.5,0.615) 8(-0.5,0.615) 9(-1,0.615)
  rect 0.3x2.3 smd: 3(0,0)
SSOP-14
  rect 0.432x1.397 smd: 1(-1.93,-2.794) 2(-1.295,-2.794) 3(-0.635,-2.794) 4(0,-2.794) 5(0.66,-2.794) 6(1.308,-2.794) 7(1.956,-2.794) 8(1.956,2.794) 9(1.308,2.794) 10(0.66,2.794) 11(0,2.794) 12(-0.648,2.794) 13(-1.295,2.794) 14(-1.943,2.794)
SuperSOT-3
  rect 1.4x1 smd: 1(-1.1,0.95) 2(-1.1,-0.95) 3(1.1,0)
SW_SPST_EVQPE1
  rect 2x1.6 smd: 1(-2.7,0) 2(2.7,0)
SW_SPST_KMR2
  rect 0.9x1 smd: 1(-2.05,0.8) 1(2.05,0.8) 2(-2.05,-0.8) 2(2.05,-0.8)
Switch_4.5x4.5mm_SMD_TL3315NF160Q
  rect 0.2x1.1 smd: 1(-2.475,1.75) 2(2.475,1.75) 3(-2.475,-1.75) 4(2.475,-1.75)
  rect 0.5x0.7 smd: 1(-2.125,1.75) 2(2.125,1.75) 3(-2.125,-1.75) 4(2.125,-1.75)
Switch_Slide_JS202011SCQN
  rect 1.2x2.5 smd: 1(-2.5,-2.75) 2(0,-2.75) 3(2.5,-2.75) 4(-2.5,2.75) 5(0,2.75) 6(2.5,2.75)
Switch_Tactile_SMD_B3U-1000P
  rect 0.8x1.7 smd: 1(-1.7,0) 2(1.7,0)
TO-252-2
  rect 3.05x2.75 smd: (0.425,-1.525) (0.425,1.525) (3.775,-1.525) (3.775,1.525)
  rect 2.2x1.2 smd: 1(-4.2,2.28) 3(-4.2,-2.28)
  rect 6.4x5.8 smd: 2(2.1,0)
TO-277A
  rect 1.4x1.27 smd: 1(-1.04,1.9) 2(1.04,1.9)
  rect 4.72x4.8 smd: 3(0,-1.9)
TSOP-6_1.65x3.05mm_Pitch0.95mm
  rect 0.7x0.51 smd: 1(-1.16,0.95) 2(-1.16,0) 3(-1.16,-0.95) 4(1.16,-0.95) 5(1.16,0) 6(1.16,0.95)
TSSOP-8_3x3mm_Pitch0.65mm
  rect 1.1x0.4 smd: 1(-2.15,0.975) 2(-2.15,0.325) 3(-2.15,-0.325) 4(-2.15,-0.975) 5(2.15,-0.975) 6(2.15,-0.325) 7(2.15,0.325) 8(2.15,0.975)
TSSOP-8_4.4x3mm_Pitch0.65mm
  rect 1.45x0.45 smd: 1(-2.95,0.975) 2(-2.95,0.325) 3(-2.95,-0.325) 4(-2.95,-0.975) 5(2.95,-0.975) 6(2.95,-0.325) 7(2.95,0.325) 8(2.95,0.975)
VSSOP-8_2.3x2mm_Pitch0.5mm
  rect 0.8x0.3 smd: 1(-1.55,0.75) 2(-1.55,0.25) 3(-1.55,-0.25) 4(-1.55,-0.75) 5(1.55,-0.75) 6(1.55,-0.25) 7(1.55,0.25) 8(1.55,0.75)

## Nets
Net-(DRAWING1-Pad1): DRAWING1.1 DRAWING1#2.1 DRAWING1#3.1 DRAWING1#4.1

Pads without a net: C1 1 2; C1#2 1 2; C1#3 1 2; C1#4 1 2; C2 1 2; C2#2 1 2; C2#3 1 2; C2#4 1 2; C3 1 2; C3#2 1 2; C3#3 1 2; C3#4 1 2; C4 1 2; C4#2 1 2; C4#3 1 2; C4#4 1 2; C5 1 2; C5#2 1 2; C5#3 1 2; C5#4 1 2; C6 1 2; C6#2 1 2; C6#3 1 2; C6#4 1 2; C7 1 2; C7#2 1 2; C7#3 1 2; C7#4 1 2; C8 1 2; C8#2 1 2; C8#3 1 2; C8#4 1 2; D1 1 2; D1#2 1 2; D1#3 1 2; D1#4 1 2; D2 1 2; D2#2 1 2; D2#3 1 2; D2#4 1 2; D3 1 2; D3#2 1 2; D3#3 1 2; D3#4 1 2; D4 1 2; D4#2 1 2; D4#3 1 2; D4#4 1 2; D5 1 2; D5#2 1 2; D5#3 1 2; D5#4 1 2; D6 1 2; D6#2 1 2; D6#3 1 2; D6#4 1 2; DRAWING1 2 3 4 5 6 7 8 9 10 11 12 13 14 15; DRAWING1#2 2 3 4 5 6 7 8 9 10 11 12 13 14 15; DRAWING1#3 2 3 4 5 6 7 8 9 10 11 12 13 14 15; DRAWING1#4 2 3 4 5 6 7 8 9 10 11 12 13 14 15; J1 1 2 3 4 5; J1#2 1 2 3 4 5; J1#3 1 2 3 4 5; J1#4 1 2 3 4 5; L1 1 2; L1#2 1 2; L1#3 1 2; L1#4 1 2; L2 1 2; L2#2 1 2; L2#3 1 2; L2#4 1 2; L3 1 2; L3#2 1 2; L3#3 1 2; L3#4 1 2; L4 1 2; L4#2 1 2; L4#3 1 2; L4#4 1 2; L5 1 2; L5#2 1 2; L5#3 1 2; L5#4 1 2; L6 1 2; L6#2 1 2; L6#3 1 2; L6#4 1 2; LED1 1 2; LED1#2 1 2; LED1#3 1 2; LED1#4 1 2; LED2 1 2; LED2#2 1 2; LED2#3 1 2; LED2#4 1 2; LED3 1 2; LED3#2 1 2; LED3#3 1 2; LED3#4 1 2; LED4 1 2; LED4#2 1 2; LED4#3 1 2; LED4#4 1 2; LED5 1 2; LED5#2 1 2; LED5#3 1 2; LED5#4 1 2; LED6 1 2; LED6#2 1 2; LED6#3 1 2; LED6#4 1 2; Q1 1 2 3; Q1#2 1 2 3; Q1#3 1 2 3; Q1#4 1 2 3; Q2 1 2 3; Q2#2 1 2 3; Q2#3 1 2 3; Q2#4 1 2 3; Q3 D G S; Q3#2 D G S; Q3#3 D G S; Q3#4 D G S; Q4 1 2 3; Q4#2 1 2 3; Q4#3 1 2 3; Q4#4 1 2 3; Q5 GND VI VO; Q5#2 GND VI VO; Q5#3 GND VI VO; Q5#4 GND VI VO; Q6 1 2 3; Q6#2 1 2 3; Q6#3 1 2 3; Q6#4 1 2 3; Q7 1 2 3; Q7#2 1 2 3; Q7#3 1 2 3; Q7#4 1 2 3; R1 1 2; R1#2 1 2; R1#3 1 2; R1#4 1 2; R2 1 2; R2#2 1 2; R2#3 1 2; R2#4 1 2; R3 1 2; R3#2 1 2; R3#3 1 2; R3#4 1 2; R4 1 2; R4#2 1 2; R4#3 1 2; R4#4 1 2; R5 1 2; R5#2 1 2; R5#3 1 2; R5#4 1 2; R6 1 2; R6#2 1 2; R6#3 1 2; R6#4 1 2; SW1 1 2; SW1#2 1 2; SW1#3 1 2; SW1#4 1 2; SW2 1 2; SW2#2 1 2; SW2#3 1 2; SW2#4 1 2; SW3 1 2; SW3#2 1 2; SW3#3 1 2; SW3#4 1 2; SW4 1 2 3 4; SW4#2 1 2 3 4; SW4#3 1 2 3 4; SW4#4 1 2 3 4; SW5 1 2 3 4; SW5#2 1 2 3 4; SW5#3 1 2 3 4; SW5#4 1 2 3 4; SW6 1 2; SW6#2 1 2; SW6#3 1 2; SW6#4 1 2; SW7 1 2 3 4 5 6; SW7#2 1 2 3 4 5 6; SW7#3 1 2 3 4 5 6; SW7#4 1 2 3 4 5 6; SW8 1 2; SW8#2 1 2; SW8#3 1 2; SW8#4 1 2; U1 1 2 3 4 5 6 7 8 9 10 11 12 13 14 15 16 17; U1#2 1 2 3 4 5 6 7 8 9 10 11 12 13 14 15 16 17; U1#3 1 2 3 4 5 6 7 8 9 10 11 12 13 14 15 16 17; U1#4 1 2 3 4 5 6 7 8 9 10 11 12 13 14 15 16 17; U2 1 2 3 4 5 6 7 8 9 10 11 12 13 14 15 16 17 18 19 20 21 22 23 24 25 26 27 28 29 30 31 32; U2#2 1 2 3 4 5 6 7 8 9 10 11 12 13 14 15 16 17 18 19 20 21 22 23 24 25 26 27 28 29 30 31 32; U2#3 1 2 3 4 5 6 7 8 9 10 11 12 13 14 15 16 17 18 19 20 21 22 23 24 25 26 27 28 29 30 31 32; U2#4 1 2 3 4 5 6 7 8 9 10 11 12 13 14 15 16 17 18 19 20 21 22 23 24 25 26 27 28 29 30 31 32; U3 1 2 3 4 5 6 7 8; U3#2 1 2 3 4 5 6 7 8; U3#3 1 2 3 4 5 6 7 8; U3#4 1 2 3 4 5 6 7 8; U4 A1 A2 A3 A4 A5 A6 A7 A8 A9 A10 B1 B2 B3 B4 B5 B6 B7 B8 B9 B10 C1 C2 C9 C10 D1 D2 D9 D10 E1 E2 E9 E10 F1 F2 F9 F10 G1 G2 G9 G10 H1 H2 H9 H10 J1 J2 J3 J4 J5 J6 J7 J8 J9 J10 K1 K2 K3 K4 K5 K6 K7 K8 K9 K10; U4#2 A1 A2 A3 A4 A5 A6 A7 A8 A9 A10 B1 B2 B3 B4 B5 B6 B7 B8 B9 B10 C1 C2 C9 C10 D1 D2 D9 D10 E1 E2 E9 E10 F1 F2 F9 F10 G1 G2 G9 G10 H1 H2 H9 H10 J1 J2 J3 J4 J5 J6 J7 J8 J9 J10 K1 K2 K3 K4 K5 K6 K7 K8 K9 K10; U4#3 A1 A2 A3 A4 A5 A6 A7 A8 A9 A10 B1 B2 B3 B4 B5 B6 B7 B8 B9 B10 C1 C2 C9 C10 D1 D2 D9 D10 E1 E2 E9 E10 F1 F2 F9 F10 G1 G2 G9 G10 H1 H2 H9 H10 J1 J2 J3 J4 J5 J6 J7 J8 J9 J10 K1 K2 K3 K4 K5 K6 K7 K8 K9 K10; U4#4 A1 A2 A3 A4 A5 A6 A7 A8 A9 A10 B1 B2 B3 B4 B5 B6 B7 B8 B9 B10 C1 C2 C9 C10 D1 D2 D9 D10 E1 E2 E9 E10 F1 F2 F9 F10 G1 G2 G9 G10 H1 H2 H9 H10 J1 J2 J3 J4 J5 J6 J7 J8 J9 J10 K1 K2 K3 K4 K5 K6 K7 K8 K9 K10; U5 1 2 3 4 5 6 7 8; U5#2 1 2 3 4 5 6 7 8; U5#3 1 2 3 4 5 6 7 8; U5#4 1 2 3 4 5 6 7 8; U6 1 2 3 4 5 6 7 8; U6#2 1 2 3 4 5 6 7 8; U6#3 1 2 3 4 5 6 7 8; U6#4 1 2 3 4 5 6 7 8; U7 1 2 3 4 5 6; U7#2 1 2 3 4 5 6; U7#3 1 2 3 4 5 6; U7#4 1 2 3 4 5 6; U8 1 2 3 4 5 6; U8#2 1 2 3 4 5 6; U8#3 1 2 3 4 5 6; U8#4 1 2 3 4 5 6; U9 1 2 3 4 5 6 7 8; U9#2 1 2 3 4 5 6 7 8; U9#3 1 2 3 4 5 6 7 8; U9#4 1 2 3 4 5 6 7 8; U10 1 2 3 4 5 6; U10#2 1 2 3 4 5 6; U10#3 1 2 3 4 5 6; U10#4 1 2 3 4 5 6; U11 1 2 3 4 5 6 7 8 9 10 11 12 13 14; U11#2 1 2 3 4 5 6 7 8 9 10 11 12 13 14; U11#3 1 2 3 4 5 6 7 8 9 10 11 12 13 14; U11#4 1 2 3 4 5 6 7 8 9 10 11 12 13 14; U12 1 2 3 4 5 6 7 8 9 10 11 12 13 14 15 16; U12#2 1 2 3 4 5 6 7 8 9 10 11 12 13 14 15 16; U12#3 1 2 3 4 5 6 7 8 9 10 11 12 13 14 15 16; U12#4 1 2 3 4 5 6 7 8 9 10 11 12 13 14 15 16; U13 1 2 3 4 5 6; U13#2 1 2 3 4 5 6; U13#3 1 2 3 4 5 6; U13#4 1 2 3 4 5 6; U14 1 2 3 4 EP; U14#2 1 2 3 4 EP; U14#3 1 2 3 4 EP; U14#4 1 2 3 4 EP; U15 1 2 3 4 5 6 7 8 9; U15#2 1 2 3 4 5 6 7 8 9; U15#3 1 2 3 4 5 6 7 8 9; U15#4 1 2 3 4 5 6 7 8 9; U16 1 2 3 4 5; U16#2 1 2 3 4 5; U16#3 1 2 3 4 5; U16#4 1 2 3 4 5; U17 1 2 3 4 5 6 7 8; U17#2 1 2 3 4 5 6 7 8; U17#3 1 2 3 4 5 6 7 8; U17#4 1 2 3 4 5 6 7 8; U18 1 2 3 4; U18#2 1 2 3 4; U18#3 1 2 3 4; U18#4 1 2 3 4; U19 1 2 3 4 5 6 7 8; U19#2 1 2 3 4 5 6 7 8; U19#3 1 2 3 4 5 6 7 8; U19#4 1 2 3 4 5 6 7 8; U20 1 2 3; U20#2 1 2 3; U20#3 1 2 3; U20#4 1 2 3; U21 1 2 3; U21#2 1 2 3; U21#3 1 2 3; U21#4 1 2 3; U22 1 2 3 4 5 6 7 8 9 10 11 12 13 14 15 16; U22#2 1 2 3 4 5 6 7 8 9 10 11 12 13 14 15 16; U22#3 1 2 3 4 5 6 7 8 9 10 11 12 13 14 15 16; U22#4 1 2 3 4 5 6 7 8 9 10 11 12 13 14 15 16; U23 1 2 3 4 5 6; U23#2 1 2 3 4 5 6; U23#3 1 2 3 4 5 6; U23#4 1 2 3 4 5 6

## Text on the board
B.Silkscreen: 3x3mm | 4.4x3mm
User.Eco1: V-SCORE | Please only add serial numbers to frame.
F.Fab: LED test pads
F.Silkscreen: 01005 | 0603 | 1206 | 0805 | 0402 | 0201
